# Altium PCB PCB1-nano-withlogo-SMT.PcbDoc (part 3 of 5) (continued)
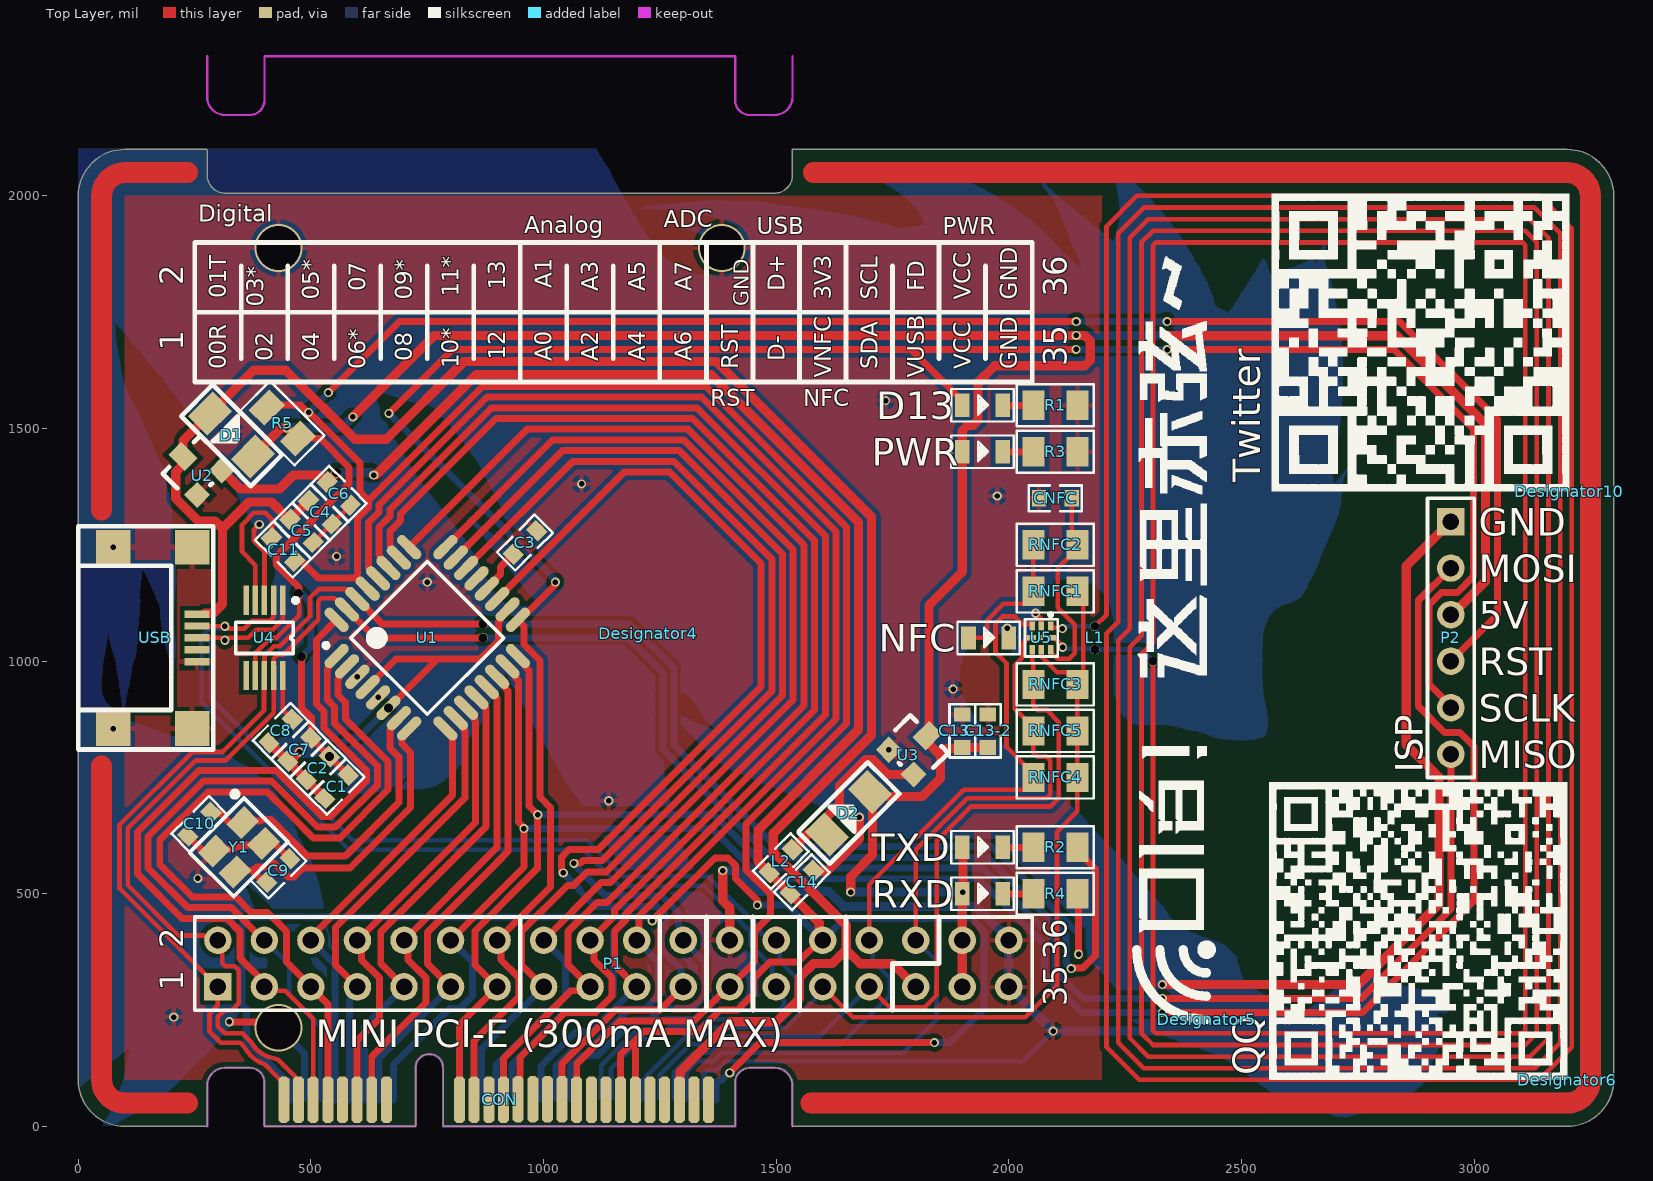
[diagram p0: Top Layer view]
## Nets (pads, with @x,y where several pads share a name; then routed paths per layer and width w, separated by ;. In a path a pad name is that pad's centre, name@x,y a point inside that pad or via, vN(x,y) a via of type N, cw(c..) or ccw(c..) an arc to the next point about the centre after c; other vN are vias at no path point) (continued)
; 515,1062 852,1062 ; 515,1063 852,1063 ; 515,1064 853,1064 ; 515,1065 854,1065 ; 515,1066 855,1066 ; 515,1067 856,1067 ; 515,1068 855,1068 ; 515,1069 854,1069 ; 515,1070 853,1070 ; 515,1071 852,1071 ; 515,1072 852,1072 ; 515,1073 851,1073 ; 515,1074 850,1074 ; 515,1075 850,1075 ; 515,1076 850,1076 ; 515,1077 850,1077 ; 515,1078 850,1078 ; 515,1079 850,1079 ; 515,1080 850,1080 ; 515,1081 850,1081 ; 515,1082 850,1082 ; 515,1083 850,1083 ; 515,1084 850,1084 ; 515,1085 850,1085 ; 515,1086 850,1086 ; 515,1087 850,1087 ; 515,1088 850,1088 ; 515,1089 850,1089 ; 515,1090 850,1090 ; 515,1091 851,1091 ; 515,1092 851,1092 ; 515,1093 852,1093 ; 515,1094 853,1094 ; 515,1095 854,1095 ; 515,1096 855,1096 ; 515,1097 856,1097 ; 515,1098 857,1098 ; 515,1099 858,1099 ; 515,1100 859,1100 ; 515,1101 863,1101 ; 515,1102 915,1102 ; 515,1103 915,1103 ; 515,1104 914,1104 ; 515,1105 914,1105 ; 515,1106 914,1106 ; 515,1107 913,1107 ; 515,1108 913,1108 ; 515,1109 913,1109 ; 515,1110 912,1110 ; 515,1111 912,1111 ; 515,1112 911,1112 ; 515,1113 912,1113 ; 515,1114 2069,1114 ; 515,1115 2069,1115 ; 515,1116 2069,1116 ; 515,1117 2070,1117 ; 515,1118 2070,1118 ; 515,1119 949,1119 ; 515,1120 941,1120 ; 515,1121 934,1121 ; 515,1122 930,1122 ; 515,1123 928,1123 ; 515,1124 925,1124 ; 515,1125 923,1125 ; 515,1126 916,1126 ; 515,1127 914,1127 ; 515,1128 911,1128 ; 515,1129 908,1129 ; 515,1130 905,1130 ; 515,1131 903,1131 ; 515,1132 903,1132 ; 515,1133 902,1133 ; 515,1134 902,1134 ; 515,1534 568,1534 ; 516,1535 569,1535 ; 517,1536 570,1536 ; 518,1537 571,1537 ; 519,1538 572,1538 ; 520,1539 573,1539 ; 521,1540 574,1540 ; 522,1541 575,1541 ; 523,1542 576,1542 ; 524,1543 577,1543 ; 525,1544 578,1544 ; 526,1545 579,1545 ; 527,1546 582,1546 ; 528,1547 647,1547 ; 529,1548 647,1548 ; 530,1549 646,1549 ; 531,1550 646,1550 ; 532,1551 645,1551 ; 533,1552 645,1552 ; 534,1553 644,1553 ; 535,1554 644,1554 ; 536,1555 644,1555 ; 537,778 820,778 ; 537,1556 643,1556 ; 538,776 819,776 ; 538,777 819,777 ; 538,1557 643,1557 ; 539,775 818,775 ; 539,1558 642,1558 ; 540,773 816,773 ; 540,774 817,774 ; 540,1559 642,1559 ; 541,771 814,771 ; 541,772 815,772 ; 541,1560 641,1560 ; 542,770 814,770 ; 543,768 719,768 ; 543,769 813,769 ; 544,767 718,767 ; 544,1561 641,1561 ; 544,1598 2718,1598 ; 545,765 716,765 ; 545,766 717,766 ; 546,764 715,764 ; 546,1597 2718,1597 ; 547,762 714,762 ; 547,763 715,763 ; 547,1562 640,1562 ; 548,761 713,761 ; 548,779 821,779 ; 548,1563 640,1563 ; 548,1596 2718,1596 ; 549,760 712,760 ; 549,1564 639,1564 ; 549,1595 2718,1595 ; 550,759 711,759 ; 550,780 822,780 ; 550,1565 639,1565 ; 550,1594 2718,1594 ; 551,781 822,781 ; 551,1566 638,1566 ; 551,1593 2718,1593 ; 552,758 711,758 ; 552,782 823,782 ; 552,1567 637,1567 ; 552,1592 2718,1592 ; 553,757 710,757 ; 553,783 823,783 ; 553,1568 637,1568 ; 553,1591 2718,1591 ; 554,756 709,756 ; 554,784 824,784 ; 554,1569 636,1569 ; 554,1570 636,1570 ; 554,1589 2718,1589 ; 554,1590 2718,1590 ; 555,755 708,755 ; 555,785 825,785 ; 555,1571 635,1571 ; 555,1572 635,1572 ; 555,1573 634,1573 ; 555,1574 634,1574 ; 555,1575 633,1575 ; 555,1576 633,1576 ; 555,1577 632,1577 ; 555,1578 632,1578 ; 555,1579 631,1579 ; 555,1580 631,1580 ; 555,1581 632,1581 ; 555,1582 2717,1582 ; 555,1583 2717,1583 ; 555,1584 2717,1584 ; 555,1585 2717,1585 ; 555,1586 2717,1586 ; 555,1587 2717,1587 ; 555,1588 2717,1588 ; 556,754 707,754 ; 556,786 825,786 ; 557,787 826,787 ; 557,788 826,788 ; 557,789 827,789 ; 557,790 828,790 ; 558,753 706,753 ; 558,791 828,791 ; 558,792 829,792 ; 559,752 705,752 ; 559,793 829,793 ; 560,751 704,751 ; 560,794 830,794 ; 560,1388 620,1388 ; 561,721 649,721 ; 561,722 652,722 ; 561,795 830,795 ; 562,720 645,720 ; 562,723 656,723 ; 562,750 703,750 ; 562,796 831,796 ; 563,749 702,749 ; 563,797 831,797 ; 564,719 640,719 ; 564,724 659,724 ; 564,798 832,798 ; 565,748 701,748 ; 565,799 832,799 ; 566,718 635,718 ; 566,747 700,747 ; 566,800 832,800 ; 567,725 662,725 ; 567,801 832,801 ; 568,746 699,746 ; 568,802 833,802 ; 569,803 833,803 ; 570,726 664,726 ; 570,745 698,745 ; 570,804 833,804 ; 571,744 697,744 ; 571,805 833,805 ; 572,806 834,806 ; 572,1485 675,1485 ; 573,727 666,727 ; 573,743 696,743 ; 573,807 834,807 ; 574,808 834,808 ; 575,728 670,728 ; 575,742 695,742 ; 575,809 834,809 ; 575,1486 675,1486 ; 576,717 630,717 ; 576,741 694,741 ; 576,810 834,810 ; 577,729 673,729 ; 577,811 835,811 ; 577,1487 674,1487 ; 578,740 693,740 ; 578,812 835,812 ; 578,1488 674,1488 ; 579,730 675,730 ; 579,813 835,813 ; 579,1489 673,1489 ; 580,731 678,731 ; 580,739 691,739 ; 580,814 835,814 ; 580,1490 672,1490 ; 581,815 835,815 ; 581,1491 672,1491 ; 582,732 680,732 ; 582,738 690,738 ; 582,816 835,816 ; 582,1492 671,1492 ; 583,733 682,733 ; 583,817 835,817 ; 583,1493 671,1493 ; 584,734 684,734 ; 584,737 689,737 ; 584,818 836,818 ; 584,1494 670,1494 ; 584,1495 670,1495 ; 585,735 686,735 ; 585,819 836,819 ; 586,716 621,716 ; 586,736 687,736 ; 586,820 836,820 ; 586,1496 669,1496 ; 587,1497 669,1497 ; 588,1498 668,1498 ; 589,1499 668,1499 ; 590,1500 667,1500 ; 591,1501 667,1501 ; 592,1502 666,1502 ; 593,1503 666,1503 ; 593,1504 665,1504 ; 595,1505 665,1505 ; 596,1506 665,1506 ; 596,1546 648,1546 ; 597,1507 664,1507 ; 598,1508 664,1508 ; 599,1509 663,1509 ; 599,1545 648,1545 ; 600,1510 663,1510 ; 600,1544 648,1544 ; 601,1511 662,1511 ; 601,1543 648,1543 ; 602,1512 662,1512 ; 602,1542 648,1542 ; 603,1513 661,1513 ; 603,1541 648,1541 ; 604,1514 661,1514 ; 604,1540 648,1540 ; 605,1515 661,1515 ; 605,1539 648,1539 ; 606,1516 659,1516 ; 606,1538 648,1538 ; 607,1517 656,1517 ; 607,1518 655,1518 ; 607,1536 648,1536 ; 607,1537 648,1537 ; 608,821 836,821 ; 608,1519 654,1519 ; 608,1520 653,1520 ; 608,1521 652,1521 ; 608,1534 648,1534 ; 608,1535 648,1535 ; 609,1522 651,1522 ; 609,1523 650,1523 ; 609,1524 650,1524 ; 609,1525 649,1525 ; 609,1526 648,1526 ; 609,1527 648,1527 ; 609,1528 648,1528 ; 609,1529 648,1529 ; 609,1530 648,1530 ; 609,1531 648,1531 ; 609,1532 648,1532 ; 609,1533 648,1533 ; 610,822 836,822 ; 611,823 837,823 ; 612,824 837,824 ; 613,825 837,825 ; 614,826 837,826 ; 615,827 837,827 ; 616,828 838,828 ; 617,829 838,829 ; 618,830 838,830 ; 619,831 838,831 ; 620,832 838,832 ; 621,833 838,833 ; 622,834 838,834 ; 623,835 838,835 ; 624,836 839,836 ; 625,837 840,837 ; 626,838 841,838 ; 627,839 842,839 ; 628,840 843,840 ; 629,841 845,841 ; 630,842 846,842 ; 631,843 847,843 ; 632,844 848,844 ; 633,845 849,845 ; 634,846 850,846 ; 635,847 851,847 ; 635,1426 710,1426 ; 636,848 852,848 ; 637,849 853,849 ; 637,1581 2717,1581 ; 638,850 854,850 ; 638,1425 710,1425 ; 639,851 854,851 ; 640,852 855,852 ; 640,1424 711,1424 ; 641,853 856,853 ; 641,1423 711,1423 ; 641,1580 2717,1580 ; 642,854 857,854 ; 642,1422 712,1422 ; 643,855 858,855 ; 643,1384 737,1384 ; 643,1421 713,1421 ; 644,856 858,856 ; 644,1420 713,1420 ; 645,857 859,857 ; 645,1385 736,1385 ; 645,1419 714,1419 ; 646,858 860,858 ; 646,1386 735,1386 ; 646,1418 714,1418 ; 646,1579 2717,1579 ; 647,859 860,859 ; 647,1387 735,1387 ; 647,1417 715,1417 ; 648,860 861,860 ; 648,1388 734,1388 ; 648,1416 716,1416 ; 649,861 862,861 ; 649,1389 733,1389 ; 649,1415 716,1415 ; 650,862 862,862 ; 650,1390 733,1390 ; 650,1414 717,1414 ; 651,863 863,863 ; 651,1391 732,1391 ; 651,1392 731,1392 ; 651,1412 718,1412 ; 651,1413 717,1413 ; 651,1578 2717,1578 ; 652,864 863,864 ; 652,1393 731,1393 ; 652,1411 718,1411 ; 653,865 864,865 ; 653,1394 730,1394 ; 653,1395 729,1395 ; 653,1396 729,1396 ; 653,1397 728,1397 ; 653,1398 727,1398 ; 653,1399 727,1399 ; 653,1400 726,1400 ; 653,1401 725,1401 ; 653,1402 725,1402 ; 653,1403 724,1403 ; 653,1404 723,1404 ; 653,1405 722,1405 ; 653,1406 722,1406 ; 653,1407 721,1407 ; 653,1408 720,1408 ; 653,1409 720,1409 ; 653,1410 719,1410 ; 654,866 864,866 ; 655,867 865,867 ; 656,868 865,868 ; 656,1577 2717,1577 ; 657,869 866,869 ; 658,870 866,870 ; 659,871 867,871 ; 660,872 867,872 ; 660,1576 2717,1576 ; 661,873 868,873 ; 662,874 868,874 ; 663,875 868,875 ; 664,876 869,876 ; 664,1575 2717,1575 ; 665,877 869,877 ; 666,878 869,878 ; 667,879 869,879 ; 668,880 870,880 ; 668,1574 2717,1574 ; 669,881 870,881 ; 670,882 870,882 ; 671,1573 2717,1573 ; 673,920 892,920 ; 673,1572 2717,1572 ; 674,883 871,883 ; 676,884 871,884 ; 676,919 891,919 ; 676,1571 2717,1571 ; 677,885 871,885 ; 677,918 890,918 ; 678,886 872,886 ; 678,917 889,917 ; 679,887 872,887 ; 679,916 888,916 ; 679,1570 2717,1570 ; 680,888 872,888 ; 680,915 887,915 ; 681,889 872,889 ; 681,914 886,914 ; 682,890 872,890 ; 682,913 885,913 ; 682,1569 2717,1569 ; 683,891 873,891 ; 683,892 873,892 ; 683,912 885,912 ; 684,893 873,893 ; 684,894 873,894 ; 684,895 873,895 ; 684,896 873,896 ; 684,897 873,897 ; 684,898 873,898 ; 684,899 873,899 ; 684,900 874,900 ; 684,901 875,901 ; 684,902 876,902 ; 684,903 877,903 ; 684,904 878,904 ; 684,905 879,905 ; 684,906 879,906 ; 684,907 880,907 ; 684,908 881,908 ; 684,909 882,909 ; 684,910 883,910 ; 684,911 884,911 ; 684,1568 2717,1568 ; 687,1567 2717,1567 ; 689,727 717,727 ; 689,728 749,728 ; 690,729 755,729 ; 690,1566 2717,1566 ; 691,730 760,730 ; 693,726 696,726 ; 693,731 763,731 ; 694,732 766,732 ; 694,1565 2717,1565 ; 696,733 769,733 ; 697,734 771,734 ; 697,1564 2717,1564 ; 698,735 773,735 ; 699,736 774,736 ; 700,737 775,737 ; 700,1563 2717,1563 ; 701,738 777,738 ; 701,739 778,739 ; 702,740 780,740 ; 703,741 782,741 ; 703,1562 2717,1562 ; 704,726 709,726 ; 704,742 783,742 ; 704,743 785,743 ; 705,744 786,744 ; 706,745 787,745 ; 707,746 789,746 ; 707,747 790,747 ; 707,1561 2717,1561 ; 708,748 791,748 ; 709,749 793,749 ; 710,750 794,750 ; 710,1560 2717,1560 ; 711,751 795,751 ; 711,752 796,752 ; 712,753 797,753 ; 713,754 798,754 ; 713,1559 2716,1559 ; 714,755 799,755 ; 714,756 800,756 ; 715,757 801,757 ; 716,758 802,758 ; 716,759 803,759 ; 717,760 805,760 ; 717,761 806,761 ; 717,1558 2716,1558 ; 718,762 807,762 ; 718,763 808,763 ; 719,764 809,764 ; 719,765 810,765 ; 720,766 810,766 ; 720,767 811,767 ; 721,768 812,768 ; 721,1557 2716,1557 ; 722,727 744,727 ; 725,1556 2716,1556 ; 727,726 738,726 ; 730,1555 2716,1555 ; 735,1554 2716,1554 ; 740,1553 2716,1553 ; 745,1552 2716,1552 ; 750,1551 2716,1551 ; 755,1550 2716,1550 ; 760,1549 2715,1549 ; 762,1548 2715,1548 ; 763,1547 2715,1547 ; 764,1546 2715,1546 ; 765,1544 2715,1544 ; 765,1545 2715,1545 ; 766,1543 2715,1543 ; 767,1542 2715,1542 ; 768,1541 2714,1541 ; 769,1539 2714,1539 ; 769,1540 2714,1540 ; 770,1538 2714,1538 ; 771,1537 2714,1537 ; 772,1536 2714,1536 ; 773,1535 2714,1535 ; 774,1534 2714,1534 ; 775,1533 2714,1533 ; 776,1532 2714,1532 ; 777,1530 2713,1530 ; 777,1531 2713,1531 ; 778,1529 2713,1529 ; 779,1528 2713,1528 ; 780,1527 2713,1527 ; 781,1526 2713,1526 ; 782,1525 2713,1525 ; 783,1524 2713,1524 ; 784,1523 2713,1523 ; 785,1522 2712,1522 ; 786,1521 2712,1521 ; 787,1520 2712,1520 ; 788,1519 2712,1519 ; 789,1518 2712,1518 ; 790,1517 2712,1517 ; 791,1516 2712,1516 ; 792,1515 2712,1515 ; 793,1514 2712,1514 ; 794,1513 2712,1513 ; 795,1512 2712,1512 ; 796,1511 2712,1511 ; 797,1509 2711,1509 ; 797,1510 2711,1510 ; 798,1508 2711,1508 ; 799,1507 2711,1507 ; 800,1506 2711,1506 ; 801,1505 2711,1505 ; 802,1504 2711,1504 ; 803,1503 2711,1503 ; 804,1501 2710,1501 ; 804,1502 2710,1502 ; 805,1500 2710,1500 ; 806,1499 2710,1499 ; 807,1498 2710,1498 ; 808,1497 2710,1497 ; 809,1495 2710,1495 ; 809,1496 2710,1496 ; 810,1494 2710,1494 ; 811,1493 2710,1493 ; 812,1492 2710,1492 ; 813,1491 2710,1491 ; 814,1489 2709,1489 ; 814,1490 2710,1490 ; 815,1488 2709,1488 ; 816,1487 2709,1487 ; 817,1486 2709,1486 ; 818,1484 2709,1484 ; 818,1485 2709,1485 ; 819,1483 2709,1483 ; 820,1482 2709,1482 ; 821,1480 2708,1480 ; 821,1481 2708,1481 ; 822,1479 2708,1479 ; 823,1478 2708,1478 ; 824,1477 2707,1477 ; 825,1475 2707,1475 ; 825,1476 2707,1476 ; 826,1474 2707,1474 ; 827,1473 2706,1473 ; 828,1472 2706,1472 ; 829,1470 2706,1470 ; 829,1471 2706,1471 ; 830,1469 2706,1469 ; 831,1467 2705,1467 ; 831,1468 2706,1468 ; 832,1466 2705,1466 ; 833,1464 2705,1464 ; 833,1465 2705,1465 ; 834,1463 2705,1463 ; 835,1462 2705,1462 ; 836,1308 841,1308 ; 836,1460 2704,1460 ; 836,1461 2705,1461 ; 837,1306 843,1306 ; 837,1307 842,1307 ; 837,1309 840,1309 ; 837,1459 2704,1459 ; 838,1304 846,1304 ; 838,1305 845,1305 ; 838,1457 2704,1457 ; 838,1458 2704,1458 ; 839,1303 848,1303 ; 839,1456 2704,1456 ; 840,1302 850,1302 ; 840,1454 2703,1454 ; 840,1455 2703,1455 ; 841,1301 851,1301 ; 841,1453 2703,1453 ; 842,1300 853,1300 ; 842,1452 2703,1452 ; 843,1299 854,1299 ; 843,1450 2702,1450 ; 843,1451 2703,1451 ; 844,1298 856,1298 ; 844,1449 2702,1449 ; 845,1297 857,1297 ; 845,1448 2702,1448 ; 846,1296 859,1296 ; 846,1446 2701,1446 ; 846,1447 2701,1447 ; 847,1295 860,1295 ; 847,1445 2701,1445 ; 848,1294 861,1294 ; 848,1444 2701,1444 ; 849,1293 862,1293 ; 849,1442 2700,1442 ; 849,1443 2700,1443 ; 850,1292 864,1292 ; 850,1441 2700,1441 ; 851,1291 865,1291 ; 851,1440 2700,1440 ; 852,1290 866,1290 ; 852,1438 2699,1438 ; 852,1439 2699,1439 ; 853,1289 867,1289 ; 853,1437 2699,1437 ; 854,1288 868,1288 ; 854,1435 2698,1435 ; 854,1436 2699,1436 ; 855,1287 870,1287 ; 855,1434 2698,1434 ; 856,1286 871,1286 ; 856,1432 2698,1432 ; 856,1433 2698,1433 ; 857,1285 873,1285 ; 857,1431 2697,1431 ; 858,1284 874,1284 ; 858,1429 2697,1429 ; 858,1430 2697,1430 ; 859,1282 877,1282 ; 859,1283 876,1283 ; 859,1427 2696,1427 ; 859,1428 2696,1428 ; 860,1281 879,1281 ; 860,1425 2695,1425 ; 860,1426 2695,1426 ; 861,1279 882,1279 ; 861,1280 880,1280 ; 861,1423 2694,1423 ; 861,1424 2694,1424 ; 862,1278 883,1278 ; 862,1421 2693,1421 ; 862,1422 2694,1422 ; 863,1277 885,1277 ; 863,1419 2693,1419 ; 863,1420 2693,1420 ; 864,1276 887,1276 ; 864,1418 2693,1418 ; 865,1275 888,1275 ; 865,1416 2693,1416 ; 865,1417 2693,1417 ; 866,1274 890,1274 ; 866,1414 2693,1414 ; 866,1415 2693,1415 ; 867,1273 892,1273 ; 867,1413 2693,1413 ; 868,1272 895,1272 ; 868,1411 2694,1411 ; 868,1412 2694,1412 ; 869,1271 906,1271 ; 869,1409 2694,1409 ; 869,1410 2694,1410 ; 870,1270 907,1270 ; 870,1407 2695,1407 ; 870,1408 2694,1408 ; 871,1269 908,1269 ; 871,1405 2695,1405 ; 871,1406 2695,1406 ; 872,1266 911,1266 ; 872,1267 910,1267 ; 872,1268 909,1268 ; 872,1400 2696,1400 ; 872,1401 2696,1401 ; 872,1402 2696,1402 ; 872,1403 2695,1403 ; 872,1404 2695,1404 ; 873,1265 912,1265 ; 873,1399 2696,1399 ; 874,1264 913,1264 ; 874,1397 2696,1397 ; 874,1398 2696,1398 ; 875,1101 915,1101 ; 875,1263 914,1263 ; 875,1396 2697,1396 ; 876,1033 921,1033 ; 876,1262 915,1262 ; 876,1394 2697,1394 ; 876,1395 2697,1395 ; 877,1260 917,1260 ; 877,1261 916,1261 ; 877,1392 2697,1392 ; 877,1393 2697,1393 ; 878,1259 918,1259 ; 878,1390 2697,1390 ; 878,1391 2697,1391 ; 879,1034 919,1034 ; 879,1100 916,1100 ; 879,1257 920,1257 ; 879,1258 919,1258 ; 879,1388 2697,1388 ; 879,1389 2697,1389 ; 880,1035 919,1035 ; 880,1099 916,1099 ; 880,1256 921,1256 ; 880,1387 2697,1387 ; 881,1255 922,1255 ; 881,1385 2697,1385 ; 881,1386 2697,1386 ; 882,1253 924,1253 ; 882,1254 923,1254 ; 882,1383 2698,1383 ; 882,1384 2698,1384 ; 883,1252 925,1252 ; 883,1381 2698,1381 ; 883,1382 2698,1382 ; 884,1251 926,1251 ; 884,1379 2717,1379 ; 884,1380 2717,1380 ; 885,1249 928,1249 ; 885,1250 927,1250 ; 885,1377 2717,1377 ; 885,1378 2717,1378 ; 886,1248 929,1248 ; 886,1375 2717,1375 ; 886,1376 2717,1376 ; 887,1247 930,1247 ; 887,1373 2717,1373 ; 887,1374 2717,1374 ; 888,1245 932,1245 ; 888,1246 931,1246 ; 888,1370 2717,1370 ; 888,1371 2717,1371 ; 888,1372 2717,1372 ; 889,1244 933,1244 ; 889,1368 2717,1368 ; 889,1369 2717,1369 ; 890,1243 934,1243 ; 890,1366 2716,1366 ; 890,1367 2716,1367 ; 891,1242 935,1242 ; 891,1365 2716,1365 ; 892,1241 936,1241 ; 892,1363 2716,1363 ; 892,1364 2716,1364 ; 893,1240 937,1240 ; 893,1361 2716,1361 ; 893,1362 2716,1362 ; 894,1239 938,1239 ; 894,1359 2715,1359 ; 894,1360 2716,1360 ; 895,1238 939,1238 ; 895,1357 2715,1357 ; 895,1358 2715,1358 ; 896,1236 941,1236 ; 896,1237 940,1237 ; 896,1280 897,1280 ; 896,1355 2715,1355 ; 896,1356 2715,1356 ; 897,1235 942,1235 ; 897,1278 899,1278 ; 897,1279 898,1279 ; 897,1353 2714,1353 ; 897,1354 2715,1354 ; 898,1234 943,1234 ; 898,1276 901,1276 ; 898,1277 900,1277 ; 898,1327 899,1327 ; 898,1351 2714,1351 ; 898,1352 2714,1352 ; 899,1233 944,1233 ; 899,1272 905,1272 ; 899,1273 904,1273 ; 899,1274 903,1274 ; 899,1275 902,1275 ; 899,1326 902,1326 ; 899,1349 2714,1349 ; 899,1350 2714,1350 ; 900,1232 945,1232 ; 900,1325 906,1325 ; 900,1347 2713,1347 ; 900,1348 2714,1348 ; 901,1231 946,1231 ; 901,1324 2710,1324 ; 901,1346 2713,1346 ; 902,1230 947,1230 ; 902,1323 2710,1323 ; 902,1344 2713,1344 ; 902,1345 2713,1345 ; 903,1229 948,1229 ; 903,1322 2709,1322 ; 903,1342 2713,1342 ; 903,1343 2713,1343 ; 904,1227 950,1227 ; 904,1228 949,1228 ; 904,1321 2709,1321 ; 904,1340 2713,1340 ; 904,1341 2713,1341 ; 905,1226 951,1226 ; 905,1320 2709,1320 ; 905,1338 2713,1338 ; 905,1339 2713,1339 ; 906,1225 952,1225 ; 906,1319 2709,1319 ; 906,1336 2712,1336 ; 906,1337 2713,1337 ; 907,1224 953,1224 ; 907,1318 2709,1318 ; 907,1334 2712,1334 ; 907,1335 2712,1335 ; 908,1223 954,1223 ; 908,1317 2708,1317 ; 908,1332 2712,1332 ; 908,1333 2712,1333 ; 909,1221 956,1221 ; 909,1222 955,1222 ; 909,1316 2708,1316 ; 909,1330 2711,1330 ; 909,1331 2711,1331 ; 910,1220 957,1220 ; 910,1315 2708,1315 ; 910,1329 2711,1329 ; 911,1219 958,1219 ; 911,1314 2708,1314 ; 911,1325 2710,1325 ; 911,1326 2710,1326 ; 911,1327 2710,1327 ; 911,1328 2711,1328 ; 912,1218 959,1218 ; 912,1313 2707,1313 ; 913,1216 961,1216 ; 913,1217 960,1217 ; 913,1312 2707,1312 ; 914,1215 962,1215 ; 914,1311 2707,1311 ; 915,1113 2068,1113 ; 915,1214 963,1214 ; 915,1310 2706,1310 ; 916,1112 2068,1112 ; 916,1212 965,1212 ; 916,1213 964,1213 ; 916,1309 2706,1309 ; 917,1211 966,1211 ; 917,1308 2705,1308 ; 918,1111 2068,1111 ; 918,1210 967,1210 ; 918,1307 2705,1307 ; 919,974 1234,974 ; 919,975 1233,975 ; 919,1110 2067,1110 ; 919,1208 969,1208 ; 919,1209 968,1209 ; 919,1306 2705,1306 ; 920,973 1235,973 ; 920,1109 2067,1109 ; 920,1207 970,1207 ; 920,1305 2704,1305 ; 921,971 1237,971 ; 921,972 1236,972 ; 921,1108 2067,1108 ; 921,1206 971,1206 ; 921,1304 2704,1304 ; 922,969 1239,969 ; 922,970 1238,970 ; 922,1033 1175,1033 ; 922,1106 v1@2066,1106 ; 922,1107 v1@2066,1107 ; 922,1205 972,1205 ; 922,1303 2703,1303 ; 923,967 1240,967 ; 923,968 1240,968 ; 923,1034 1174,1034 ; 923,1105 v1@2066,1105 ; 923,1203 974,1203 ; 923,1204 973,1204 ; 923,1302 2703,1302 ; 924,965 1240,965 ; 924,966 1240,966 ; 924,1104 v1@2065,1104 ; 924,1202 975,1202 ; 924,1301 2703,1301 ; 925,963 1240,963 ; 925,964 1240,964 ; 925,1035 1173,1035 ; 925,1103 v1@2065,1103 ; 925,1201 976,1201 ; 925,1300 2702,1300 ; 926,961 1240,961 ; 926,962 1240,962 ; 926,1102 v1@2064,1102 ; 926,1200 977,1200 ; 926,1299 2702,1299 ; 927,959 1240,959 ; 927,960 1240,960 ; 927,1101 v1@2064,1101 ; 927,1199 978,1199 ; 927,1298 2701,1298 ; 928,958 1240,958 ; 928,1197 980,1197 ; 928,1198 979,1198 ; 928,1297 2701,1297 ; 929,956 1239,956 ; 929,957 1239,957 ; 929,1100 v1@2064,1100 ; 929,1196 981,1196 ; 929,1296 2700,1296 ; 930,954 1239,954 ; 930,955 1239,955 ; 930,1099 v1@2063,1099 ; 930,1195 982,1195 ; 930,1295 2700,1295 ; 931,952 1239,952 ; 931,953 1239,953 ; 931,1194 983,1194 ; 931,1294 2700,1294 ; 932,950 1239,950 ; 932,951 1239,951 ; 932,1192 985,1192 ; 932,1193 984,1193 ; 932,1293 2699,1293 ; 933,948 1239,948 ; 933,949 1239,949 ; 933,1191 986,1191 ; 933,1292 2699,1292 ; 934,946 1239,946 ; 934,947 1239,947 ; 934,1190 987,1190 ; 934,1291 2698,1291 ; 935,945 1240,945 ; 935,1189 988,1189 ; 935,1290 2698,1290 ; 936,943 1240,943 ; 936,944 1240,944 ; 936,1187 990,1187 ; 936,1188 989,1188 ; 936,1289 2698,1289 ; 937,941 1240,941 ; 937,942 1240,942 ; 937,1186 991,1186 ; 937,1288 2697,1288 ; 938,939 1240,939 ; 938,940 1240,940 ; 938,1185 992,1185 ; 938,1287 2697,1287 ; 939,937 1240,937 ; 939,938 1240,938 ; 939,1184 993,1184 ; 939,1286 2696,1286 ; 940,935 1240,935 ; 940,936 1240,936 ; 940,1183 994,1183 ; 940,1285 2696,1285 ; 941,933 1240,933 ; 941,934 1240,934 ; 941,1181 996,1181 ; 941,1182 995,1182 ; 941,1284 2695,1284 ; 942,931 1239,931 ; 942,932 1239,932 ; 942,1180 997,1180 ; 942,1283 2695,1283 ; 943,930 1239,930 ; 943,1179 998,1179 ; 943,1282 2694,1282 ; 944,928 1239,928 ; 944,929 1239,929 ; 944,1178 999,1178 ; 944,1281 2694,1281 ; 945,926 1239,926 ; 945,927 1239,927 ; 945,1176 1001,1176 ; 945,1177 1000,1177 ; 945,1280 2693,1280 ; 946,924 1239,924 ; 946,925 1239,925 ; 946,1175 1002,1175 ; 946,1279 2693,1279 ; 947,922 1239,922 ; 947,923 1239,923 ; 947,1173 1004,1173 ; 947,1174 1003,1174 ; 947,1278 2693,1278 ; 948,920 1240,920 ; 948,921 1240,921 ; 948,1172 1005,1172 ; 948,1277 2692,1277 ; 949,918 1240,918 ; 949,919 1240,919 ; 949,1171 1005,1171 ; 949,1276 2692,1276 ; 950,917 1240,917 ; 950,1169 1005,1169 ; 950,1170 1005,1170 ; 950,1275 2691,1275 ; 951,915 1240,915 ; 951,916 1240,916 ; 951,1168 1005,1168 ; 951,1274 2691,1274 ; 952,913 1240,913 ; 952,914 1240,914 ; 952,1166 1005,1166 ; 952,1167 1005,1167 ; 952,1273 2690,1273 ; 953,911 1240,911 ; 953,912 1240,912 ; 953,1165 1006,1165 ; 953,1272 2690,1272 ; 954,910 1240,910 ; 954,1163 1006,1163 ; 954,1164 1006,1164 ; 954,1271 2690,1271 ; 955,908 1239,908 ; 955,909 1240,909 ; 955,1162 1007,1162 ; 955,1270 2689,1270 ; 956,906 1239,906 ; 956,907 1239,907 ; 956,1161 1007,1161 ; 956,1269 2689,1269 ; 957,904 1239,904 ; 957,905 1239,905 ; 957,1159 1009,1159 ; 957,1160 1008,1160 ; 957,1268 2688,1268 ; 958,903 1239,903 ; 958,1158 1010,1158 ; 958,1267 2688,1267 ; 959,901 1239,901 ; 959,902 1239,902 ; 959,1157 1011,1157 ; 959,1266 2688,1266 ; 960,899 1239,899 ; 960,900 1239,900 ; 960,1156 1012,1156 ; 960,1265 2687,1265 ; 961,898 1239,898 ; 961,1154 1015,1154 ; 961,1155 1013,1155 ; 961,1264 2687,1264 ; 962,896 1240,896 ; 962,897 1239,897 ; 962,1153 1018,1153 ; 962,1263 2686,1263 ; 963,894 1240,894 ; 963,895 1240,895 ; 963,1152 2084,1152 ; 963,1262 2686,1262 ; 964,893 1240,893 ; 964,1151 2083,1151 ; 964,1261 2685,1261 ; 965,891 1240,891 ; 965,892 1240,892 ; 965,1149 2082,1149 ; 965,1150 2083,1150 ; 965,1260 2685,1260 ; 966,889 1240,889 ; 966,890 1240,890 ; 966,1148 2081,1148 ; 966,1259 2684,1259 ; 967,887 1240,887 ; 967,888 1240,888 ; 967,1147 2081,1147 ; 967,1258 2684,1258 ; 968,885 1240,885 ; 968,886 1240,886 ; 968,1146 2080,1146 ; 968,1257 2683,1257 ; 969,883 1240,883 ; 969,884 1240,884 ; 969,1145 2080,1145 ; 969,1256 2683,1256 ; 970,881 1239,881 ; 970,882 1239,882 ; 970,1144 2079,1144 ; 970,1255 2683,1255 ; 971,878 1239,878 ; 971,879 1239,879 ; 971,880 1239,880 ; 971,1143 2079,1143 ; 971,1254 2682,1254 ; 972,876 1239,876 ; 972,877 1239,877 ; 972,1142 2078,1142 ; 972,1253 2682,1253 ; 973,874 1239,874 ; 973,875 1239,875 ; 973,1252 2681,1252 ; 974,871 1239,871 ; 974,872 1239,872 ; 974,873 1239,873 ; 974,1141 2078,1141 ; 974,1251 2681,1251 ; 975,869 1240,869 ; 975,870 1240,870 ; 975,1140 2077,1140 ; 975,1250 2681,1250 ; 976,867 1240,867 ; 976,868 1240,868 ; 976,1139 2076,1139 ; 976,1249 2680,1249 ; 977,865 1240,865 ; 977,866 1240,866 ; 977,1137 2075,1137 ; 977,1138 2076,1138 ; 977,1248 2680,1248 ; 978,863 1240,863 ; 978,864 1240,864 ; 978,1119 2070,1119 ; 978,1136 2075,1136 ; 978,1247 2679,1247 ; 979,861 1240,861 ; 979,862 1240,862 ; 979,1135 2075,1135 ; 979,1246 2679,1246 ; 980,859 1240,859 ; 980,860 1240,860 ; 980,1134 2074,1134 ; 980,1245 2679,1245 ; 981,857 1239,857 ; 981,858 1240,858 ; 981,1133 2074,1133 ; 981,1244 2678,1244 ; 982,856 1239,856 ; 982,1132 2074,1132 ; 982,1243 2678,1243 ; 983,854 1239,854 ; 983,855 1239,855 ; 983,1131 2074,1131 ; 983,1242 2677,1242 ; 984,852 1239,852 ; 984,853 1239,853 ; 984,1130 2074,1130 ; 984,1241 2677,1241 ; 985,851 1239,851 ; 985,1129 2073,1129 ; 985,1240 2676,1240 ; 986,849 1239,849 ; 986,850 1239,850 ; 986,1239 2676,1239 ; 987,848 1239,848 ; 987,1128 2073,1128 ; 987,1238 2676,1238 ; 988,846 1240,846 ; 988,847 1239,847 ; 988,1127 2073,1127 ; 988,1237 2675,1237 ; 989,844 1240,844 ; 989,845 1240,845 ; 989,1126 2072,1126 ; 989,1236 2675,1236 ; 990,843 1240,843 ; 990,1125 2072,1125 ; 990,1235 2674,1235 ; 991,841 1240,841 ; 991,842 1240,842 ; 991,1120 2070,1120 ; 991,1124 2072,1124 ; 991,1234 2674,1234 ; 992,839 1240,839 ; 992,840 1240,840 ; 992,1121 2071,1121 ; 992,1122 2071,1122 ; 992,1123 2071,1123 ; 992,1233 2674,1233 ; 993,838 1240,838 ; 993,1232 2673,1232 ; 994,836 1239,836 ; 994,837 1240,837 ; 994,1231 2673,1231 ; 995,834 1239,834 ; 995,835 1239,835 ; 995,1230 2672,1230 ; 996,832 1239,832 ; 996,833 1239,833 ; 996,1229 2672,1229 ; 997,831 1239,831 ; 997,1228 2671,1228 ; 998,829 1239,829 ; 998,830 1239,830 ; 998,1227 2671,1227 ; 999,827 1239,827 ; 999,828 1239,828 ; 999,1226 2670,1226 ; 1000,825 1239,825 ; 1000,826 1239,826 ; 1000,1225 2670,1225 ; 1001,824 1239,824 ; 1001,1224 2669,1224 ; 1002,822 1239,822 ; 1002,823 1239,823 ; 1002,1223 2669,1223 ; 1003,820 1240,820 ; 1003,821 1240,821 ; 1003,1222 2669,1222 ; 1004,818 1239,818 ; 1004,819 1240,819 ; 1004,1221 2668,1221 ; 1005,817 1239,817 ; 1005,1220 2668,1220 ; 1006,815 1239,815 ; 1006,816 1239,816 ; 1006,1219 2668,1219 ; 1007,813 1239,813 ; 1007,814 1239,814 ; 1007,1218 2667,1218 ; 1008,811 1239,811 ; 1008,812 1239,812 ; 1008,1217 2667,1217 ; 1009,810 1239,810 ; 1009,1216 2667,1216 ; 1010,808 1239,808 ; 1010,809 1239,809 ; 1010,1215 2666,1215 ; 1011,806 1240,806 ; 1011,807 1239,807 ; 1011,1214 2666,1214 ; 1012,804 1240,804 ; 1012,805 1240,805 ; 1012,1213 2666,1213 ; 1013,803 1241,803 ; 1013,1212 2665,1212 ; 1014,801 1243,801 ; 1014,802 1242,802 ; 1014,1211 2665,1211 ; 1015,799 1245,799 ; 1015,800 1244,800 ; 1015,1210 2665,1210 ; 1016,797 1247,797 ; 1016,798 1246,798 ; 1016,1209 2664,1209 ; 1017,796 1248,796 ; 1017,1208 2664,1208 ; 1018,794 1250,794 ; 1018,795 1249,795 ; 1018,1207 2664,1207 ; 1019,792 1252,792 ; 1019,793 1251,793 ; 1019,1206 2663,1206 ; 1020,791 1253,791 ; 1020,1205 2663,1205 ; 1021,789 1255,789 ; 1021,790 1254,790 ; 1021,1204 2662,1204 ; 1022,787 1257,787 ; 1022,788 1256,788 ; 1022,1203 2662,1203 ; 1023,786 1257,786 ; 1023,1202 2661,1202 ; 1024,784 1258,784 ; 1024,785 1257,785 ; 1024,1201 2661,1201 ; 1025,783 1258,783 ; 1025,1200 2660,1200 ; 1026,781 1258,781 ; 1026,782 1258,782 ; 1026,1199 2660,1199 ; 1027,779 1258,779 ; 1027,780 1258,780 ; 1027,1198 2659,1198 ; 1028,777 1258,777 ; 1028,778 1258,778 ; 1028,1197 2659,1197 ; 1029,776 1258,776 ; 1029,1196 2659,1196 ; 1030,774 1258,774 ; 1030,775 1258,775 ; 1030,1195 2658,1195 ; 1031,772 1258,772 ; 1031,773 1258,773 ; 1031,1153 2084,1153 ; 1031,1194 2658,1194 ; 1032,770 1259,770 ; 1032,771 1259,771 ; 1032,1193 2657,1193 ; 1033,768 1259,768 ; 1033,769 1259,769 ; 1033,1192 2657,1192 ; 1034,766 1259,766 ; 1034,767 1259,767 ; 1034,1154 2085,1154 ; 1034,1191 2656,1191 ; 1035,764 1259,764 ; 1035,765 1259,765 ; 1035,1155 2086,1155 ; 1035,1190 2656,1190 ; 1036,763 1259,763 ; 1036,1156 2086,1156 ; 1036,1189 2655,1189 ; 1037,761 1259,761 ; 1037,762 1259,762 ; 1037,1157 2087,1157 ; 1037,1188 2655,1188 ; 1038,759 1259,759 ; 1038,760 1259,760 ; 1038,1158 2088,1158 ; 1038,1187 2654,1187 ; 1039,757 1259,757 ; 1039,758 1259,758 ; 1039,1159 2088,1159 ; 1039,1186 2654,1186 ; 1040,755 1259,755 ; 1040,756 1259,756 ; 1040,1160 2089,1160 ; 1040,1184 2653,1184 ; 1040,1185 2653,1185 ; 1041,753 1259,753 ; 1041,754 1259,754 ; 1041,1161 2089,1161 ; 1041,1182 2652,1182 ; 1041,1183 2652,1183 ; 1042,752 1259,752 ; 1042,1162 2090,1162 ; 1042,1181 2651,1181 ; 1043,750 1260,750 ; 1043,751 1260,751 ; 1043,1163 2091,1163 ; 1043,1164 2091,1164 ; 1043,1165 2092,1165 ; 1043,1166 2092,1166 ; 1043,1167 2093,1167 ; 1043,1168 2093,1168 ; 1043,1169 2094,1169 ; 1043,1170 2094,1170 ; 1043,1171 2094,1171 ; 1043,1172 2095,1172 ; 1043,1173 2095,1173 ; 1043,1174 2097,1174 ; 1043,1175 2103,1175 ; 1043,1176 2110,1176 ; 1043,1177 2649,1177 ; 1043,1178 2650,1178 ; 1043,1179 2650,1179 ; 1043,1180 2651,1180 ; 1044,748 1260,748 ; 1044,749 1260,749 ; 1045,746 1260,746 ; 1045,747 1260,747 ; 1046,745 1260,745 ; 1047,743 1260,743 ; 1047,744 1260,744 ; 1048,741 1261,741 ; 1048,742 1261,742 ; 1049,740 1261,740 ; 1050,738 1261,738 ; 1050,739 1261,739 ; 1051,736 1262,736 ; 1051,737 1261,737 ; 1052,735 1262,735 ; 1053,734 1262,734 ; 1054,732 1263,732 ; 1054,733 1262,733 ; 1055,731 1263,731 ; 1056,730 1263,730 ; 1057,728 1264,728 ; 1057,729 1263,729 ; 1058,727 1264,727